# KiCad board USB_panel.kicad_pcb (continued)
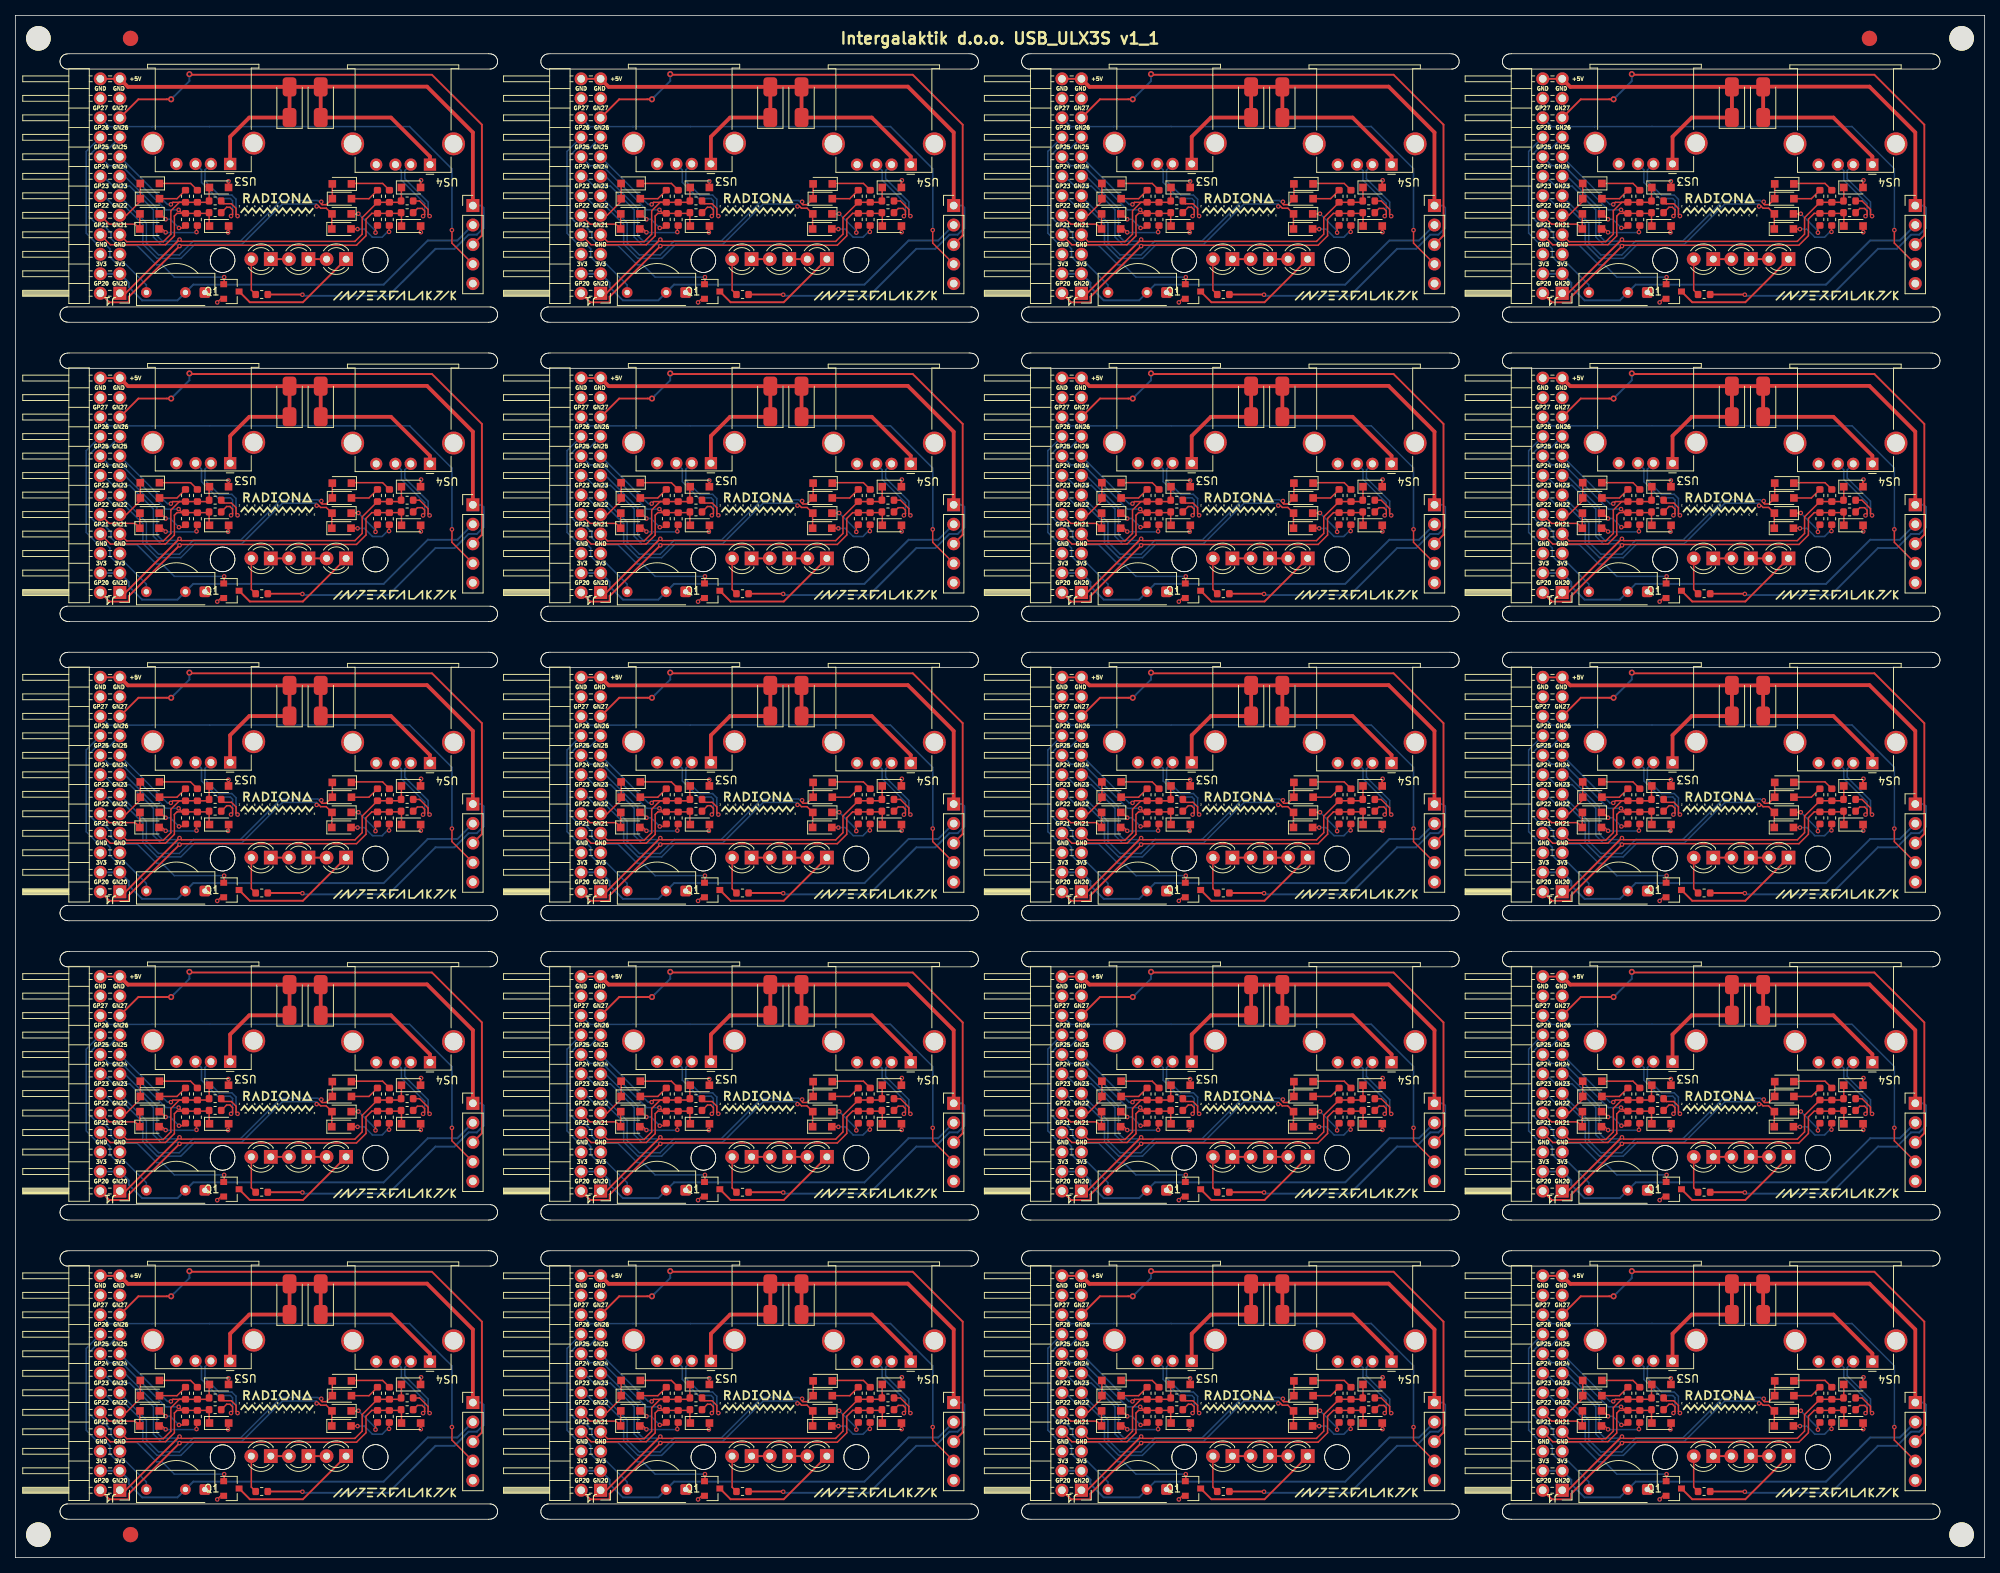
[diagram p0: board, top side]
## Placement (name value [footprint] x y rotation side) (continued)
D16#15  LED  [LED_D3.0mm_IRBlack]  38.17 13.23 180 top
D16#16  LED  [LED_D3.0mm_IRBlack]  226 130.19 180 top
D16#17  LED  [LED_D3.0mm_IRBlack]  100.78 52.22 180 top
D16#18  LED  [LED_D3.0mm_IRBlack]  100.78 91.2 180 top
D16#19  LED  [LED_D3.0mm_IRBlack]  226 13.23 180 top
D16#20  LED  [LED_D3.0mm_IRBlack]  100.78 13.23 180 top
D17  LED  [LED_D3.0mm_IRBlack]  230.9 130.19 180 top
D17#2  LED  [LED_D3.0mm_IRBlack]  105.68 52.22 180 top
D17#3  LED  [LED_D3.0mm_IRBlack]  168.29 13.23 180 top
D17#4  LED  [LED_D3.0mm_IRBlack]  105.68 13.23 180 top
D17#5  LED  [LED_D3.0mm_IRBlack]  105.68 130.19 180 top
D17#6  LED  [LED_D3.0mm_IRBlack]  168.29 91.2 180 top
D17#7  LED  [LED_D3.0mm_IRBlack]  43.07 52.22 180 top
D17#8  LED  [LED_D3.0mm_IRBlack]  230.9 13.23 180 top
D17#9  LED  [LED_D3.0mm_IRBlack]  43.07 169.18 180 top
D17#10  LED  [LED_D3.0mm_IRBlack]  105.68 91.2 180 top
D17#11  LED  [LED_D3.0mm_IRBlack]  105.68 169.18 180 top
D17#12  LED  [LED_D3.0mm_IRBlack]  230.9 91.2 180 top
D17#13  LED  [LED_D3.0mm_IRBlack]  43.07 13.23 180 top
D17#14  LED  [LED_D3.0mm_IRBlack]  43.07 91.2 180 top
D17#15  LED  [LED_D3.0mm_IRBlack]  168.29 52.22 180 top
D17#16  LED  [LED_D3.0mm_IRBlack]  168.29 130.19 180 top
D17#17  LED  [LED_D3.0mm_IRBlack]  43.07 130.19 180 top
D17#18  LED  [LED_D3.0mm_IRBlack]  230.9 169.18 180 top
D17#19  LED  [LED_D3.0mm_IRBlack]  168.29 169.18 180 top
D17#20  LED  [LED_D3.0mm_IRBlack]  230.9 52.22 180 top
G***  LOGO  [intergalaktik]  237.26 47.6 0 top
G***#2  LOGO  [intergalaktik]  174.65 8.61 0 top
G***#3  LOGO  [radiona-10mm]  96.67 59.32 0 top
G***#4  LOGO  [radiona-10mm]  96.67 20.33 0 top
G***#5  LOGO  [radiona-10mm]  159.28 176.28 0 top
G***#6  LOGO  [intergalaktik]  49.43 86.58 0 top
G***#7  LOGO  [intergalaktik]  112.04 47.6 0 top
G***#8  LOGO  [intergalaktik]  174.65 164.56 0 top
G***#9  LOGO  [radiona-10mm]  159.28 98.31 0 top
G***#10  LOGO  [intergalaktik]  174.65 86.58 0 top
G***#11  LOGO  [intergalaktik]  49.43 125.57 0 top
G***#12  LOGO  [radiona-10mm]  159.28 137.29 0 top
G***#13  LOGO  [intergalaktik]  112.04 8.61 0 top
G***#14  LOGO  [radiona-10mm]  159.28 59.32 0 top
G***#15  LOGO  [radiona-10mm]  221.89 176.28 0 top
G***#16  LOGO  [intergalaktik]  49.43 47.6 0 top
G***#17  LOGO  [intergalaktik]  112.04 164.56 0 top
G***#18  LOGO  [radiona-10mm]  34.06 59.32 0 top
G***#19  LOGO  [radiona-10mm]  96.67 137.29 0 top
G***#20  LOGO  [radiona-10mm]  34.06 98.31 0 top
G***#21  LOGO  [radiona-10mm]  34.06 176.28 0 top
G***#22  LOGO  [radiona-10mm]  96.67 176.28 0 top
G***#23  LOGO  [intergalaktik]  174.65 47.6 0 top
G***#24  LOGO  [intergalaktik]  49.43 8.61 0 top
G***#25  LOGO  [intergalaktik]  237.26 86.58 0 top
G***#26  LOGO  [radiona-10mm]  34.06 137.29 0 top
G***#27  LOGO  [intergalaktik]  237.26 125.57 0 top
G***#28  LOGO  [intergalaktik]  237.26 164.56 0 top
G***#29  LOGO  [radiona-10mm]  96.67 98.31 0 top
G***#30  LOGO  [radiona-10mm]  34.06 20.33 0 top
G***#31  LOGO  [radiona-10mm]  159.28 20.33 0 top
G***#32  LOGO  [radiona-10mm]  221.89 98.31 0 top
G***#33  LOGO  [radiona-10mm]  221.89 20.33 0 top
G***#34  LOGO  [intergalaktik]  49.43 164.56 0 top
G***#35  LOGO  [intergalaktik]  237.26 8.61 0 top
G***#36  LOGO  [radiona-10mm]  221.89 59.32 0 top
G***#37  LOGO  [intergalaktik]  112.04 86.58 0 top
G***#38  LOGO  [intergalaktik]  174.65 125.57 0 top
G***#39  LOGO  [radiona-10mm]  221.89 137.29 0 top
G***#40  LOGO  [intergalaktik]  112.04 125.57 0 top
G***#41  LOGO  [radiona-10mm]  224.6 16.33 180 bottom
G***#42  LOGO  [OSH_10x10]  149.59 109.5 180 bottom
G***#43  LOGO  [OSH_10x10]  238.2 70.32 180 bottom
G***#44  LOGO  [OSH_10x10]  149.59 187.48 180 bottom
G***#45  LOGO  [OSH_10x10]  50.37 187.28 180 bottom
G***#46  LOGO  [OSH_10x10]  112.98 148.29 180 bottom
G***#47  LOGO  [OSH_10x10]  86.98 148.49 180 bottom
G***#48  LOGO  [OSH_10x10]  238.2 31.33 180 bottom
G***#49  LOGO  [OSH_10x10]  24.37 70.52 180 bottom
G***#50  LOGO  [radiona-10mm]  161.99 94.3 180 bottom
G***#51  LOGO  [radiona-10mm]  224.6 94.3 180 bottom
G***#52  LOGO  [radiona-10mm]  161.99 172.28 180 bottom
G***#53  LOGO  [OSH_10x10]  175.59 148.29 180 bottom
G***#54  LOGO  [radiona-10mm]  36.77 172.28 180 bottom
G***#55  LOGO  [radiona-10mm]  99.38 16.33 180 bottom
G***#56  LOGO  [OSH_10x10]  24.37 31.53 180 bottom
G***#57  LOGO  [radiona-10mm]  99.38 94.3 180 bottom
G***#58  LOGO  [OSH_10x10]  50.37 31.33 180 bottom
G***#59  LOGO  [OSH_10x10]  24.37 187.48 180 bottom
G***#60  LOGO  [OSH_10x10]  112.98 109.3 180 bottom
G***#61  LOGO  [OSH_10x10]  175.59 31.33 180 bottom
G***#62  LOGO  [OSH_10x10]  86.98 109.5 180 bottom
G***#63  LOGO  [radiona-10mm]  99.38 172.28 180 bottom
G***#64  LOGO  [OSH_10x10]  149.59 70.52 180 bottom
G***#65  LOGO  [OSH_10x10]  212.2 31.53 180 bottom
G***#66  LOGO  [OSH_10x10]  86.98 31.53 180 bottom
G***#67  LOGO  [OSH_10x10]  24.37 148.49 180 bottom
G***#68  LOGO  [OSH_10x10]  112.98 187.28 180 bottom
G***#69  LOGO  [OSH_10x10]  50.37 148.29 180 bottom
G***#70  LOGO  [radiona-10mm]  36.77 55.32 180 bottom
G***#71  LOGO  [OSH_10x10]  112.98 70.32 180 bottom
G***#72  LOGO  [radiona-10mm]  36.77 16.33 180 bottom
G***#73  LOGO  [OSH_10x10]  238.2 109.3 180 bottom
G***#74  LOGO  [OSH_10x10]  149.59 148.49 180 bottom
G***#75  LOGO  [radiona-10mm]  224.6 133.29 180 bottom
G***#76  LOGO  [radiona-10mm]  224.6 172.28 180 bottom
G***#77  LOGO  [radiona-10mm]  161.99 133.29 180 bottom
G***#78  LOGO  [OSH_10x10]  149.59 31.53 180 bottom
G***#79  LOGO  [OSH_10x10]  112.98 31.33 180 bottom
G***#80  LOGO  [radiona-10mm]  36.77 94.3 180 bottom
G***#81  LOGO  [radiona-10mm]  224.6 55.32 180 bottom
G***#82  LOGO  [OSH_10x10]  86.98 70.52 180 bottom
G***#83  LOGO  [OSH_10x10]  175.59 109.3 180 bottom
G***#84  LOGO  [OSH_10x10]  212.2 109.5 180 bottom
G***#85  LOGO  [radiona-10mm]  161.99 16.33 180 bottom
G***#86  LOGO  [radiona-10mm]  99.38 55.32 180 bottom
G***#87  LOGO  [OSH_10x10]  86.98 187.48 180 bottom
G***#88  LOGO  [OSH_10x10]  175.59 187.28 180 bottom
G***#89  LOGO  [OSH_10x10]  212.2 148.49 180 bottom
G***#90  LOGO  [radiona-10mm]  36.77 133.29 180 bottom
G***#91  LOGO  [radiona-10mm]  161.99 55.32 180 bottom
G***#92  LOGO  [OSH_10x10]  24.37 109.5 180 bottom
G***#93  LOGO  [OSH_10x10]  212.2 70.52 180 bottom
G***#94  LOGO  [OSH_10x10]  175.59 70.32 180 bottom
G***#95  LOGO  [OSH_10x10]  50.37 70.32 180 bottom
G***#96  LOGO  [OSH_10x10]  212.2 187.48 180 bottom
G***#97  LOGO  [OSH_10x10]  238.2 187.28 180 bottom
G***#98  LOGO  [OSH_10x10]  238.2 148.29 180 bottom
G***#99  LOGO  [radiona-10mm]  99.38 133.29 180 bottom
G***#100  LOGO  [OSH_10x10]  50.37 109.3 180 bottom
J1  Conn_02x12_Odd_Even  [PinHeader_2x12_P2.54mm_Horizontal]  201.43 125.74 180 top
J1#2  Conn_02x12_Odd_Even  [PinHeader_2x12_P2.54mm_Horizontal]  13.6 47.77 180 top
J1#3  Conn_02x12_Odd_Even  [PinHeader_2x12_P2.54mm_Horizontal]  76.21 8.78 180 top
J1#4  Conn_02x12_Odd_Even  [PinHeader_2x12_P2.54mm_Horizontal]  201.43 86.75 180 top
J1#5  Conn_02x12_Odd_Even  [PinHeader_2x12_P2.54mm_Horizontal]  76.21 164.73 180 top
J1#6  Conn_02x12_Odd_Even  [PinHeader_2x12_P2.54mm_Horizontal]  76.21 47.77 180 top
J1#7  Conn_02x12_Odd_Even  [PinHeader_2x12_P2.54mm_Horizontal]  138.82 8.78 180 top
J1#8  Conn_02x12_Odd_Even  [PinHeader_2x12_P2.54mm_Horizontal]  13.6 164.73 180 top
J1#9  Conn_02x12_Odd_Even  [PinHeader_2x12_P2.54mm_Horizontal]  76.21 86.75 180 top
J1#10  Conn_02x12_Odd_Even  [PinHeader_2x12_P2.54mm_Horizontal]  138.82 125.74 180 top
J1#11  Conn_02x12_Odd_Even  [PinHeader_2x12_P2.54mm_Horizontal]  76.21 125.74 180 top
J1#12  Conn_02x12_Odd_Even  [PinHeader_2x12_P2.54mm_Horizontal]  13.6 125.74 180 top
J1#13  Conn_02x12_Odd_Even  [PinHeader_2x12_P2.54mm_Horizontal]  138.82 47.77 180 top
J1#14  Conn_02x12_Odd_Even  [PinHeader_2x12_P2.54mm_Horizontal]  138.82 86.75 180 top
J1#15  Conn_02x12_Odd_Even  [PinHeader_2x12_P2.54mm_Horizontal]  138.82 164.73 180 top
J1#16  Conn_02x12_Odd_Even  [PinHeader_2x12_P2.54mm_Horizontal]  201.43 8.78 180 top
J1#17  Conn_02x12_Odd_Even  [PinHeader_2x12_P2.54mm_Horizontal]  13.6 86.75 180 top
J1#18  Conn_02x12_Odd_Even  [PinHeader_2x12_P2.54mm_Horizontal]  13.6 8.78 180 top
J1#19  Conn_02x12_Odd_Even  [PinHeader_2x12_P2.54mm_Horizontal]  201.43 47.77 180 top
J1#20  Conn_02x12_Odd_Even  [PinHeader_2x12_P2.54mm_Horizontal]  201.43 164.73 180 top
J2  CONN  [PinHeader_1x05_P2.54mm_Vertical]  59.58 137.17 0 top
J2#2  CONN  [PinHeader_1x05_P2.54mm_Vertical]  184.8 98.18 0 top
J2#3  CONN  [PinHeader_1x05_P2.54mm_Vertical]  122.19 176.16 0 top
J2#4  CONN  [PinHeader_1x05_P2.54mm_Vertical]  247.41 20.21 0 top
J2#5  CONN  [PinHeader_1x05_P2.54mm_Vertical]  59.58 98.18 0 top
J2#6  CONN  [PinHeader_1x05_P2.54mm_Vertical]  184.8 137.17 0 top
J2#7  CONN  [PinHeader_1x05_P2.54mm_Vertical]  184.8 20.21 0 top
J2#8  CONN  [PinHeader_1x05_P2.54mm_Vertical]  247.41 137.17 0 top
J2#9  CONN  [PinHeader_1x05_P2.54mm_Vertical]  122.19 59.2 0 top
J2#10  CONN  [PinHeader_1x05_P2.54mm_Vertical]  247.41 59.2 0 top
J2#11  CONN  [PinHeader_1x05_P2.54mm_Vertical]  247.41 98.18 0 top
J2#12  CONN  [PinHeader_1x05_P2.54mm_Vertical]  122.19 98.18 0 top
J2#13  CONN  [PinHeader_1x05_P2.54mm_Vertical]  59.58 59.2 0 top
J2#14  CONN  [PinHeader_1x05_P2.54mm_Vertical]  184.8 176.16 0 top
J2#15  CONN  [PinHeader_1x05_P2.54mm_Vertical]  184.8 59.2 0 top
J2#16  CONN  [PinHeader_1x05_P2.54mm_Vertical]  59.58 20.21 0 top
J2#17  CONN  [PinHeader_1x05_P2.54mm_Vertical]  59.58 176.16 0 top
J2#18  CONN  [PinHeader_1x05_P2.54mm_Vertical]  122.19 20.21 0 top
J2#19  CONN  [PinHeader_1x05_P2.54mm_Vertical]  122.19 137.17 0 top
J2#20  CONN  [PinHeader_1x05_P2.54mm_Vertical]  247.41 176.16 0 top
KiKit_FID_B_1  -  [Fiducial]  15 197.94 0 bottom
KiKit_FID_B_2  -  [Fiducial]  241.44 197.94 0 bottom
KiKit_FID_B_3  -  [Fiducial]  15 3 0 bottom
KiKit_FID_T_1  -  [Fiducial]  15 197.94 0 top
KiKit_FID_T_2  -  [Fiducial]  241.44 197.94 0 top
KiKit_FID_T_3  -  [Fiducial]  15 3 0 top
KiKit_TO_1  -  [NPTH]  3 197.94 0 top
KiKit_TO_2  -  [NPTH]  253.44 197.94 0 top
KiKit_TO_3  -  [NPTH]  3 3 0 top
KiKit_TO_4  -  [NPTH]  253.44 3 0 top
Q1  2N7002  [SOT-23]  153.35 125.97 0 top
Q1#2  2N7002  [SOT-23]  28.13 164.96 0 top
Q1#3  2N7002  [SOT-23]  153.35 9.01 0 top
Q1#4  2N7002  [SOT-23]  153.35 164.96 0 top
Q1#5  2N7002  [SOT-23]  215.96 125.97 0 top
Q1#6  2N7002  [SOT-23]  28.13 86.99 0 top
Q1#7  2N7002  [SOT-23]  153.35 86.99 0 top
Q1#8  2N7002  [SOT-23]  90.74 125.97 0 top
Q1#9  2N7002  [SOT-23]  215.96 9.01 0 top
Q1#10  2N7002  [SOT-23]  90.74 48 0 top
Q1#11  2N7002  [SOT-23]  28.13 48 0 top
Q1#12  2N7002  [SOT-23]  215.96 48 0 top
Q1#13  2N7002  [SOT-23]  215.96 164.96 0 top
Q1#14  2N7002  [SOT-23]  153.35 48 0 top
Q1#15  2N7002  [SOT-23]  215.96 86.99 0 top
Q1#16  2N7002  [SOT-23]  90.74 86.99 0 top
Q1#17  2N7002  [SOT-23]  28.13 125.97 0 top
Q1#18  2N7002  [SOT-23]  90.74 164.96 0 top
Q1#19  2N7002  [SOT-23]  28.13 9.01 0 top
Q1#20  2N7002  [SOT-23]  90.74 9.01 0 top
R1  1.1k  [R_0603_1608Metric]  209.99 57.39 90 top
R1#2  1.1k  [R_0603_1608Metric]  84.77 57.39 90 top
R1#3  1.1k  [R_0603_1608Metric]  147.38 96.38 90 top
R1#4  1.1k  [R_0603_1608Metric]  84.77 135.36 90 top
R1#5  1.1k  [R_0603_1608Metric]  22.15 96.38 90 top
R1#6  1.1k  [R_0603_1608Metric]  209.99 96.38 90 top
R1#7  1.1k  [R_0603_1608Metric]  84.77 174.35 90 top
R1#8  1.1k  [R_0603_1608Metric]  22.15 174.35 90 top
R1#9  1.1k  [R_0603_1608Metric]  147.38 174.35 90 top
R1#10  1.1k  [R_0603_1608Metric]  147.38 135.36 90 top
R1#11  1.1k  [R_0603_1608Metric]  147.38 18.4 90 top
R1#12  1.1k  [R_0603_1608Metric]  84.77 96.38 90 top
R1#13  1.1k  [R_0603_1608Metric]  209.99 18.4 90 top
R1#14  1.1k  [R_0603_1608Metric]  22.15 57.39 90 top
R1#15  1.1k  [R_0603_1608Metric]  209.99 135.36 90 top
R1#16  1.1k  [R_0603_1608Metric]  22.15 18.4 90 top
R1#17  1.1k  [R_0603_1608Metric]  84.77 18.4 90 top
R1#18  1.1k  [R_0603_1608Metric]  209.99 174.35 90 top
R1#19  1.1k  [R_0603_1608Metric]  147.38 57.39 90 top
R1#20  1.1k  [R_0603_1608Metric]  22.15 135.36 90 top
R2  15k  [R_0603_1608Metric]  211.53 174.34 90 top
R2#2  15k  [R_0603_1608Metric]  148.93 18.39 90 top
R2#3  15k  [R_0603_1608Metric]  211.53 57.38 90 top
R2#4  15k  [R_0603_1608Metric]  23.71 174.34 90 top
R2#5  15k  [R_0603_1608Metric]  23.71 57.38 90 top
R2#6  15k  [R_0603_1608Metric]  23.71 18.39 90 top
R2#7  15k  [R_0603_1608Metric]  148.93 174.34 90 top
R2#8  15k  [R_0603_1608Metric]  148.93 96.37 90 top
R2#9  15k  [R_0603_1608Metric]  86.31 18.39 90 top
R2#10  15k  [R_0603_1608Metric]  148.93 57.38 90 top
R2#11  15k  [R_0603_1608Metric]  148.93 135.35 90 top
R2#12  15k  [R_0603_1608Metric]  211.53 18.39 90 top
R2#13  15k  [R_0603_1608Metric]  86.31 174.34 90 top
R2#14  15k  [R_0603_1608Metric]  86.31 135.35 90 top
R2#15  15k  [R_0603_1608Metric]  86.31 96.37 90 top
R2#16  15k  [R_0603_1608Metric]  23.71 96.37 90 top
R2#17  15k  [R_0603_1608Metric]  86.31 57.38 90 top
R2#18  15k  [R_0603_1608Metric]  211.53 135.35 90 top
R2#19  15k  [R_0603_1608Metric]  211.53 96.37 90 top
R2#20  15k  [R_0603_1608Metric]  23.71 135.35 90 top
R3  1.1k  [R_0603_1608Metric]  23.71 99.39 90 top
R3#2  1.1k  [R_0603_1608Metric]  211.53 138.38 90 top
R3#3  1.1k  [R_0603_1608Metric]  23.71 177.37 90 top
R3#4  1.1k  [R_0603_1608Metric]  211.53 21.42 90 top
R3#5  1.1k  [R_0603_1608Metric]  148.93 60.41 90 top
R3#6  1.1k  [R_0603_1608Metric]  23.71 21.42 90 top
R3#7  1.1k  [R_0603_1608Metric]  86.31 138.38 90 top
R3#8  1.1k  [R_0603_1608Metric]  23.71 60.41 90 top
R3#9  1.1k  [R_0603_1608Metric]  148.93 99.39 90 top
R3#10  1.1k  [R_0603_1608Metric]  86.31 21.42 90 top
R3#11  1.1k  [R_0603_1608Metric]  86.31 60.41 90 top
R3#12  1.1k  [R_0603_1608Metric]  211.53 60.41 90 top
R3#13  1.1k  [R_0603_1608Metric]  211.53 177.37 90 top
R3#14  1.1k  [R_0603_1608Metric]  148.93 138.38 90 top
R3#15  1.1k  [R_0603_1608Metric]  23.71 138.38 90 top
R3#16  1.1k  [R_0603_1608Metric]  148.93 21.42 90 top
R3#17  1.1k  [R_0603_1608Metric]  86.31 177.37 90 top
R3#18  1.1k  [R_0603_1608Metric]  86.31 99.39 90 top
R3#19  1.1k  [R_0603_1608Metric]  148.93 177.37 90 top
R3#20  1.1k  [R_0603_1608Metric]  211.53 99.39 90 top
R4  15k  [R_0603_1608Metric]  84.77 60.41 270 top
R4#2  15k  [R_0603_1608Metric]  209.99 138.38 270 top
R4#3  15k  [R_0603_1608Metric]  147.38 99.4 270 top
R4#4  15k  [R_0603_1608Metric]  84.77 177.37 270 top
R4#5  15k  [R_0603_1608Metric]  209.99 177.37 270 top
R4#6  15k  [R_0603_1608Metric]  209.99 60.41 270 top
R4#7  15k  [R_0603_1608Metric]  147.38 138.38 270 top
R4#8  15k  [R_0603_1608Metric]  147.38 21.42 270 top
R4#9  15k  [R_0603_1608Metric]  84.77 99.4 270 top
R4#10  15k  [R_0603_1608Metric]  22.15 21.42 270 top
R4#11  15k  [R_0603_1608Metric]  22.15 177.37 270 top
R4#12  15k  [R_0603_1608Metric]  84.77 21.42 270 top
R4#13  15k  [R_0603_1608Metric]  209.99 21.42 270 top
R4#14  15k  [R_0603_1608Metric]  22.15 99.4 270 top
R4#15  15k  [R_0603_1608Metric]  22.15 138.38 270 top
R4#16  15k  [R_0603_1608Metric]  147.38 177.37 270 top
R4#17  15k  [R_0603_1608Metric]  84.77 138.38 270 top
R4#18  15k  [R_0603_1608Metric]  22.15 60.41 270 top
R4#19  15k  [R_0603_1608Metric]  147.38 60.41 270 top
R4#20  15k  [R_0603_1608Metric]  209.99 99.4 270 top
R5  27  [R_0603_1608Metric]  151.24 98.78 0 top
R5#2  27  [R_0603_1608Metric]  26.02 176.76 0 top
R5#3  27  [R_0603_1608Metric]  151.24 176.76 0 top
R5#4  27  [R_0603_1608Metric]  26.02 20.81 0 top
R5#5  27  [R_0603_1608Metric]  151.24 20.81 0 top
R5#6  27  [R_0603_1608Metric]  88.63 98.78 0 top
R5#7  27  [R_0603_1608Metric]  88.63 137.77 0 top
R5#8  27  [R_0603_1608Metric]  151.24 137.77 0 top
R5#9  27  [R_0603_1608Metric]  213.85 59.8 0 top
R5#10  27  [R_0603_1608Metric]  26.02 98.78 0 top
R5#11  27  [R_0603_1608Metric]  88.63 20.81 0 top
R5#12  27  [R_0603_1608Metric]  213.85 137.77 0 top
R5#13  27  [R_0603_1608Metric]  213.85 98.78 0 top
R5#14  27  [R_0603_1608Metric]  26.02 137.77 0 top
R5#15  27  [R_0603_1608Metric]  213.85 176.76 0 top
R5#16  27  [R_0603_1608Metric]  88.63 59.8 0 top
R5#17  27  [R_0603_1608Metric]  213.85 20.81 0 top
R5#18  27  [R_0603_1608Metric]  151.24 59.8 0 top
R5#19  27  [R_0603_1608Metric]  88.63 176.76 0 top
R5#20  27  [R_0603_1608Metric]  26.02 59.8 0 top
R6  27  [R_0603_1608Metric]  151.24 136.24 0 top
R6#2  27  [R_0603_1608Metric]  213.85 97.25 0 top
R6#3  27  [R_0603_1608Metric]  88.63 175.23 0 top
R6#4  27  [R_0603_1608Metric]  26.02 175.23 0 top
R6#5  27  [R_0603_1608Metric]  151.24 19.28 0 top
R6#6  27  [R_0603_1608Metric]  213.85 175.23 0 top
R6#7  27  [R_0603_1608Metric]  26.02 19.28 0 top
R6#8  27  [R_0603_1608Metric]  151.24 58.27 0 top
R6#9  27  [R_0603_1608Metric]  213.85 19.28 0 top
R6#10  27  [R_0603_1608Metric]  88.63 19.28 0 top
R6#11  27  [R_0603_1608Metric]  26.02 136.24 0 top
R6#12  27  [R_0603_1608Metric]  26.02 97.25 0 top
R6#13  27  [R_0603_1608Metric]  213.85 58.27 0 top
R6#14  27  [R_0603_1608Metric]  88.63 136.24 0 top
R6#15  27  [R_0603_1608Metric]  88.63 58.27 0 top
R6#16  27  [R_0603_1608Metric]  151.24 97.25 0 top
R6#17  27  [R_0603_1608Metric]  213.85 136.24 0 top
R6#18  27  [R_0603_1608Metric]  88.63 97.25 0 top
R6#19  27  [R_0603_1608Metric]  151.24 175.23 0 top
R6#20  27  [R_0603_1608Metric]  26.02 58.27 0 top
R7  1.1k  [R_0603_1608Metric]  234.98 57.39 90 top
R7#2  1.1k  [R_0603_1608Metric]  172.38 57.39 90 top
R7#3  1.1k  [R_0603_1608Metric]  109.77 174.35 90 top
R7#4  1.1k  [R_0603_1608Metric]  172.38 174.35 90 top
R7#5  1.1k  [R_0603_1608Metric]  109.77 96.38 90 top
R7#6  1.1k  [R_0603_1608Metric]  47.16 18.4 90 top
R7#7  1.1k  [R_0603_1608Metric]  234.98 96.38 90 top
R7#8  1.1k  [R_0603_1608Metric]  234.98 18.4 90 top
R7#9  1.1k  [R_0603_1608Metric]  47.16 96.38 90 top
R7#10  1.1k  [R_0603_1608Metric]  109.77 57.39 90 top
R7#11  1.1k  [R_0603_1608Metric]  234.98 135.36 90 top
R7#12  1.1k  [R_0603_1608Metric]  172.38 96.38 90 top
R7#13  1.1k  [R_0603_1608Metric]  109.77 18.4 90 top
R7#14  1.1k  [R_0603_1608Metric]  47.16 174.35 90 top
R7#15  1.1k  [R_0603_1608Metric]  234.98 174.35 90 top
R7#16  1.1k  [R_0603_1608Metric]  47.16 135.36 90 top
R7#17  1.1k  [R_0603_1608Metric]  109.77 135.36 90 top
R7#18  1.1k  [R_0603_1608Metric]  47.16 57.39 90 top
R7#19  1.1k  [R_0603_1608Metric]  172.38 18.4 90 top
R7#20  1.1k  [R_0603_1608Metric]  172.38 135.36 90 top
R8  15k  [R_0603_1608Metric]  236.53 57.38 90 top
R8#2  15k  [R_0603_1608Metric]  111.31 96.37 90 top
R8#3  15k  [R_0603_1608Metric]  236.53 18.39 90 top
R8#4  15k  [R_0603_1608Metric]  173.92 57.38 90 top
R8#5  15k  [R_0603_1608Metric]  48.7 174.34 90 top
R8#6  15k  [R_0603_1608Metric]  236.53 96.37 90 top
R8#7  15k  [R_0603_1608Metric]  173.92 135.36 90 top
R8#8  15k  [R_0603_1608Metric]  173.92 96.37 90 top
R8#9  15k  [R_0603_1608Metric]  236.53 174.34 90 top
R8#10  15k  [R_0603_1608Metric]  111.31 18.39 90 top
R8#11  15k  [R_0603_1608Metric]  111.31 135.36 90 top
R8#12  15k  [R_0603_1608Metric]  48.7 57.38 90 top
R8#13  15k  [R_0603_1608Metric]  236.53 135.36 90 top
R8#14  15k  [R_0603_1608Metric]  111.31 174.34 90 top
R8#15  15k  [R_0603_1608Metric]  173.92 18.39 90 top
R8#16  15k  [R_0603_1608Metric]  173.92 174.34 90 top
R8#17  15k  [R_0603_1608Metric]  111.31 57.38 90 top
R8#18  15k  [R_0603_1608Metric]  48.7 18.39 90 top
R8#19  15k  [R_0603_1608Metric]  48.7 96.37 90 top
R8#20  15k  [R_0603_1608Metric]  48.7 135.36 90 top
R9  1.1k  [R_0603_1608Metric]  173.93 60.41 90 top
R9#2  1.1k  [R_0603_1608Metric]  111.32 138.38 90 top
R9#3  1.1k  [R_0603_1608Metric]  111.32 21.42 90 top
R9#4  1.1k  [R_0603_1608Metric]  48.71 138.38 90 top
R9#5  1.1k  [R_0603_1608Metric]  173.93 21.42 90 top
R9#6  1.1k  [R_0603_1608Metric]  173.93 138.38 90 top
R9#7  1.1k  [R_0603_1608Metric]  236.54 99.39 90 top
R9#8  1.1k  [R_0603_1608Metric]  48.71 177.37 90 top
R9#9  1.1k  [R_0603_1608Metric]  236.54 60.41 90 top
R9#10  1.1k  [R_0603_1608Metric]  236.54 177.37 90 top
R9#11  1.1k  [R_0603_1608Metric]  48.71 60.41 90 top
R9#12  1.1k  [R_0603_1608Metric]  236.54 21.42 90 top
R9#13  1.1k  [R_0603_1608Metric]  173.93 99.39 90 top
R9#14  1.1k  [R_0603_1608Metric]  48.71 99.39 90 top
R9#15  1.1k  [R_0603_1608Metric]  173.93 177.37 90 top
R9#16  1.1k  [R_0603_1608Metric]  236.54 138.38 90 top
R9#17  1.1k  [R_0603_1608Metric]  48.71 21.42 90 top
R9#18  1.1k  [R_0603_1608Metric]  111.32 177.37 90 top
R9#19  1.1k  [R_0603_1608Metric]  111.32 99.39 90 top
R9#20  1.1k  [R_0603_1608Metric]  111.32 60.41 90 top
R10  15k  [R_0603_1608Metric]  234.98 177.37 270 top
R10#2  15k  [R_0603_1608Metric]  47.16 138.38 270 top
R10#3  15k  [R_0603_1608Metric]  172.38 177.37 270 top
R10#4  15k  [R_0603_1608Metric]  234.98 138.38 270 top
R10#5  15k  [R_0603_1608Metric]  47.16 177.37 270 top
R10#6  15k  [R_0603_1608Metric]  172.38 99.4 270 top
R10#7  15k  [R_0603_1608Metric]  234.98 99.4 270 top
R10#8  15k  [R_0603_1608Metric]  109.77 60.41 270 top
R10#9  15k  [R_0603_1608Metric]  109.77 99.4 270 top
R10#10  15k  [R_0603_1608Metric]  109.77 138.38 270 top
R10#11  15k  [R_0603_1608Metric]  109.77 21.42 270 top
R10#12  15k  [R_0603_1608Metric]  234.98 60.41 270 top
R10#13  15k  [R_0603_1608Metric]  172.38 21.42 270 top
R10#14  15k  [R_0603_1608Metric]  47.16 21.42 270 top
R10#15  15k  [R_0603_1608Metric]  172.38 138.38 270 top
R10#16  15k  [R_0603_1608Metric]  109.77 177.37 270 top
R10#17  15k  [R_0603_1608Metric]  47.16 99.4 270 top
R10#18  15k  [R_0603_1608Metric]  172.38 60.41 270 top
R10#19  15k  [R_0603_1608Metric]  47.16 60.41 270 top
R10#20  15k  [R_0603_1608Metric]  234.98 21.42 270 top
R11  27  [R_0603_1608Metric]  176.24 20.81 0 top
R11#2  27  [R_0603_1608Metric]  51.02 59.8 0 top
R11#3  27  [R_0603_1608Metric]  176.24 137.77 0 top
R11#4  27  [R_0603_1608Metric]  51.02 98.78 0 top
R11#5  27  [R_0603_1608Metric]  238.85 176.76 0 top
R11#6  27  [R_0603_1608Metric]  238.85 137.77 0 top
R11#7  27  [R_0603_1608Metric]  113.63 176.76 0 top
R11#8  27  [R_0603_1608Metric]  238.85 59.8 0 top
R11#9  27  [R_0603_1608Metric]  51.02 20.81 0 top
R11#10  27  [R_0603_1608Metric]  176.24 59.8 0 top
R11#11  27  [R_0603_1608Metric]  51.02 137.77 0 top
R11#12  27  [R_0603_1608Metric]  176.24 176.76 0 top
R11#13  27  [R_0603_1608Metric]  176.24 98.78 0 top
R11#14  27  [R_0603_1608Metric]  238.85 98.78 0 top
R11#15  27  [R_0603_1608Metric]  238.85 20.81 0 top
R11#16  27  [R_0603_1608Metric]  113.63 137.77 0 top
R11#17  27  [R_0603_1608Metric]  113.63 98.78 0 top
R11#18  27  [R_0603_1608Metric]  51.02 176.76 0 top
R11#19  27  [R_0603_1608Metric]  113.63 59.8 0 top
R11#20  27  [R_0603_1608Metric]  113.63 20.81 0 top
R12  27  [R_0603_1608Metric]  113.63 19.28 0 top
R12#2  27  [R_0603_1608Metric]  176.24 175.23 0 top
R12#3  27  [R_0603_1608Metric]  51.02 58.27 0 top
R12#4  27  [R_0603_1608Metric]  176.24 19.28 0 top
R12#5  27  [R_0603_1608Metric]  238.85 136.24 0 top
R12#6  27  [R_0603_1608Metric]  113.63 175.23 0 top
R12#7  27  [R_0603_1608Metric]  238.85 19.28 0 top
R12#8  27  [R_0603_1608Metric]  51.02 19.28 0 top
R12#9  27  [R_0603_1608Metric]  176.24 136.24 0 top
R12#10  27  [R_0603_1608Metric]  113.63 97.25 0 top
R12#11  27  [R_0603_1608Metric]  238.85 97.25 0 top
R12#12  27  [R_0603_1608Metric]  238.85 58.27 0 top
R12#13  27  [R_0603_1608Metric]  176.24 58.27 0 top
R12#14  27  [R_0603_1608Metric]  51.02 97.25 0 top
R12#15  27  [R_0603_1608Metric]  113.63 136.24 0 top
R12#16  27  [R_0603_1608Metric]  113.63 58.27 0 top
R12#17  27  [R_0603_1608Metric]  51.02 175.23 0 top
R12#18  27  [R_0603_1608Metric]  51.02 136.24 0 top
R12#19  27  [R_0603_1608Metric]  176.24 97.25 0 top
R12#20  27  [R_0603_1608Metric]  238.85 175.23 0 top
R13  4.7  [R_0603_1608Metric]  219.91 8.62 180 top
R13#2  4.7  [R_0603_1608Metric]  219.91 164.57 180 top
R13#3  4.7  [R_0603_1608Metric]  32.08 8.62 180 top
R13#4  4.7  [R_0603_1608Metric]  157.3 47.61 180 top
R13#5  4.7  [R_0603_1608Metric]  32.08 86.6 180 top
R13#6  4.7  [R_0603_1608Metric]  94.69 86.6 180 top
R13#7  4.7  [R_0603_1608Metric]  94.69 8.62 180 top
R13#8  4.7  [R_0603_1608Metric]  94.69 164.57 180 top
R13#9  4.7  [R_0603_1608Metric]  94.69 125.58 180 top
R13#10  4.7  [R_0603_1608Metric]  157.3 125.58 180 top
R13#11  4.7  [R_0603_1608Metric]  219.91 86.6 180 top
R13#12  4.7  [R_0603_1608Metric]  32.08 47.61 180 top
R13#13  4.7  [R_0603_1608Metric]  157.3 86.6 180 top
R13#14  4.7  [R_0603_1608Metric]  157.3 8.62 180 top
R13#15  4.7  [R_0603_1608Metric]  32.08 164.57 180 top
R13#16  4.7  [R_0603_1608Metric]  219.91 47.61 180 top
R13#17  4.7  [R_0603_1608Metric]  32.08 125.58 180 top
R13#18  4.7  [R_0603_1608Metric]  219.91 125.58 180 top
R13#19  4.7  [R_0603_1608Metric]  94.69 47.61 180 top
R13#20  4.7  [R_0603_1608Metric]  157.3 164.57 180 top
U1  TSOP17xx  [Vishay_CAST-3Pin]  212.51 125.84 180 top
U1#2  TSOP17xx  [Vishay_CAST-3Pin]  149.9 47.87 180 top
U1#3  TSOP17xx  [Vishay_CAST-3Pin]  149.9 125.84 180 top
U1#4  TSOP17xx  [Vishay_CAST-3Pin]  87.29 86.86 180 top
U1#5  TSOP17xx  [Vishay_CAST-3Pin]  87.29 125.84 180 top
U1#6  TSOP17xx  [Vishay_CAST-3Pin]  24.68 164.83 180 top
U1#7  TSOP17xx  [Vishay_CAST-3Pin]  87.29 164.83 180 top
U1#8  TSOP17xx  [Vishay_CAST-3Pin]  212.51 86.86 180 top
U1#9  TSOP17xx  [Vishay_CAST-3Pin]  24.68 47.87 180 top
U1#10  TSOP17xx  [Vishay_CAST-3Pin]  149.9 8.88 180 top
U1#11  TSOP17xx  [Vishay_CAST-3Pin]  24.68 8.88 180 top
U1#12  TSOP17xx  [Vishay_CAST-3Pin]  24.68 86.86 180 top
U1#13  TSOP17xx  [Vishay_CAST-3Pin]  149.9 164.83 180 top
U1#14  TSOP17xx  [Vishay_CAST-3Pin]  24.68 125.84 180 top
U1#15  TSOP17xx  [Vishay_CAST-3Pin]  87.29 47.87 180 top
U1#16  TSOP17xx  [Vishay_CAST-3Pin]  212.51 8.88 180 top
U1#17  TSOP17xx  [Vishay_CAST-3Pin]  212.51 47.87 180 top
U1#18  TSOP17xx  [Vishay_CAST-3Pin]  149.9 86.86 180 top
U1#19  TSOP17xx  [Vishay_CAST-3Pin]  212.51 164.83 180 top
U1#20  TSOP17xx  [Vishay_CAST-3Pin]  87.29 8.88 180 top
US3  USB_A  [USB_A_Stewart_SS-52100-001_Horizontal]  215.8 25.63 180 top
US3#2  USB_A  [USB_A_Stewart_SS-52100-001_Horizontal]  90.58 64.62 180 top
US3#3  USB_A  [USB_A_Stewart_SS-52100-001_Horizontal]  153.19 64.62 180 top
US3#4  USB_A  [USB_A_Stewart_SS-52100-001_Horizontal]  153.19 142.59 180 top
US3#5  USB_A  [USB_A_Stewart_SS-52100-001_Horizontal]  90.58 103.6 180 top
US3#6  USB_A  [USB_A_Stewart_SS-52100-001_Horizontal]  27.97 25.63 180 top
US3#7  USB_A  [USB_A_Stewart_SS-52100-001_Horizontal]  215.8 64.62 180 top
US3#8  USB_A  [USB_A_Stewart_SS-52100-001_Horizontal]  153.19 103.6 180 top
US3#9  USB_A  [USB_A_Stewart_SS-52100-001_Horizontal]  153.19 181.58 180 top
US3#10  USB_A  [USB_A_Stewart_SS-52100-001_Horizontal]  215.8 181.58 180 top
US3#11  USB_A  [USB_A_Stewart_SS-52100-001_Horizontal]  153.19 25.63 180 top
US3#12  USB_A  [USB_A_Stewart_SS-52100-001_Horizontal]  90.58 142.59 180 top
US3#13  USB_A  [USB_A_Stewart_SS-52100-001_Horizontal]  27.97 103.6 180 top
US3#14  USB_A  [USB_A_Stewart_SS-52100-001_Horizontal]  27.97 181.58 180 top
US3#15  USB_A  [USB_A_Stewart_SS-52100-001_Horizontal]  90.58 181.58 180 top
US3#16  USB_A  [USB_A_Stewart_SS-52100-001_Horizontal]  27.97 64.62 180 top
US3#17  USB_A  [USB_A_Stewart_SS-52100-001_Horizontal]  90.58 25.63 180 top
US3#18  USB_A  [USB_A_Stewart_SS-52100-001_Horizontal]  215.8 142.59 180 top
US3#19  USB_A  [USB_A_Stewart_SS-52100-001_Horizontal]  215.8 103.6 180 top
US3#20  USB_A  [USB_A_Stewart_SS-52100-001_Horizontal]  27.97 142.59 180 top
US4  USB_A  [USB_A_Stewart_SS-52100-001_Horizontal]  179.21 64.53 180 top
US4#2  USB_A  [USB_A_Stewart_SS-52100-001_Horizontal]  241.82 64.53 180 top
US4#3  USB_A  [USB_A_Stewart_SS-52100-001_Horizontal]  116.6 142.51 180 top
US4#4  USB_A  [USB_A_Stewart_SS-52100-001_Horizontal]  53.99 181.49 180 top
US4#5  USB_A  [USB_A_Stewart_SS-52100-001_Horizontal]  116.6 103.52 180 top
US4#6  USB_A  [USB_A_Stewart_SS-52100-001_Horizontal]  179.21 181.49 180 top
US4#7  USB_A  [USB_A_Stewart_SS-52100-001_Horizontal]  53.99 25.54 180 top
US4#8  USB_A  [USB_A_Stewart_SS-52100-001_Horizontal]  241.82 103.52 180 top
US4#9  USB_A  [USB_A_Stewart_SS-52100-001_Horizontal]  116.6 64.53 180 top
US4#10  USB_A  [USB_A_Stewart_SS-52100-001_Horizontal]  53.99 103.52 180 top
US4#11  USB_A  [USB_A_Stewart_SS-52100-001_Horizontal]  241.82 142.51 180 top
US4#12  USB_A  [USB_A_Stewart_SS-52100-001_Horizontal]  241.82 181.49 180 top
US4#13  USB_A  [USB_A_Stewart_SS-52100-001_Horizontal]  116.6 181.49 180 top
US4#14  USB_A  [USB_A_Stewart_SS-52100-001_Horizontal]  53.99 64.53 180 top
US4#15  USB_A  [USB_A_Stewart_SS-52100-001_Horizontal]  179.21 25.54 180 top
US4#16  USB_A  [USB_A_Stewart_SS-52100-001_Horizontal]  53.99 142.51 180 top
US4#17  USB_A  [USB_A_Stewart_SS-52100-001_Horizontal]  241.82 25.54 180 top
US4#18  USB_A  [USB_A_Stewart_SS-52100-001_Horizontal]  116.6 25.54 180 top
US4#19  USB_A  [USB_A_Stewart_SS-52100-001_Horizontal]  179.21 142.51 180 top
US4#20  USB_A  [USB_A_Stewart_SS-52100-001_Horizontal]  179.21 103.52 180 top

## Library data of the parts
D1 D1#2-D1#20 D2 D2#2-D2#20 D4 D4#2-D4#20 D8 D8#2-D8#20 D9 D9#2-D9#20 D11 D11#2-D11#20 = -: Description: Diode
D3 D3#2-D3#20 D10 D10#2-D10#20 = -: Description: Diode; MPN: 1N4148WS
D5 D5#2-D5#20 D12 D12#2-D12#20 = -: Digikey: BZT52C3V6S-TPMSCT-ND; Koncar: FV002; MNF1_URL: www.taiwansemi.com; MPN: BZT52C3V6S; Mouser: 833-BZT52C3V6S-TP; price200_Mouser: 0.096$
D6 D6#2-D6#20 D13 D13#2-D13#20 = -: EMPTY_MPN: RC0805JR-070RL; MFG1: Yageo; MFG2: ST; MNF1_URL: www.yageo.com; MPN2: STPS2L30AF; Note: Leave empty
D7 D7#2-D7#20 D14 D14#2-D14#20 = -: MNF1_URL: www.taiwansemi.com; MPN: BZT52C3V6S; Mouser: 833-BZT52C3V6S-TP
D15 D15#2-D15#20 D16 D16#2-D16#20 D17 D17#2-D17#20 = -: Description: Light emitting diode
J1 J1#2-J1#20 = -: Description: Generic connector, double row, 02x12, odd/even pin numbering scheme (row 1 odd numbers, row 2 even numbers), script generated (kicad-library-utils/schlib/autogen/connector/)
J2 J2#2-J2#20 = -: Description: Generic connector, single row, 01x05, script generated (kicad-library-utils/schlib/autogen/connector/)
Q1 Q1#2-Q1#20 = -: Description: 0.115A Id, 60V Vds, N-Channel MOSFET, SOT-23
R1 R1#2-R1#20 R2 R2#2-R2#20 R3 R3#2-R3#20 R4 R4#2-R4#20 R7 R7#2-R7#20 R8 R8#2-R8#20 R9 R9#2-R9#20 R10 R10#2-R10#20 = -: Description: Resistor
R5 R5#2-R5#20 R6 R6#2-R6#20 R11 R11#2-R11#20 R12 R12#2-R12#20 R13 R13#2-R13#20 = -: Description: Resistor; MNF1_URL: www.yageo.com; MPN: AC0603JR-0727RL
U1 U1#2-U1#20 = -: Description: Photo Modules for PCM Remote Control Systems

## Footprints (pads in the part's own frame, mm; a bottom-side part is the same pattern mirrored in y, then rotated)
D_SMA_Jumper_NC
  rrect 2.5x1.8 smd: 1(-2,0) 2(2,0)
D_SOD-323_HandSoldering
  rect 1x1 smd: 1(-1.25,0) 2(1.25,0)
Fiducial
  round 2 smd: (0,0)
LED_D3.0mm_IRBlack
  rect 1.8x1.8 hole 0.9: 1(0,0)
  round 1.8 hole 0.9: 2(2.54,0)
NPTH
  round 3.2 hole 3.2 unplated: (0,0)
PinHeader_1x05_P2.54mm_Vertical
  rect 1.7x1.7 hole 1: 1(0,0)
  oval 1.7x1.7 hole 1: 2(0,-2.54) 3(0,-5.08) 4(0,-7.62) 5(0,-10.16)
PinHeader_2x12_P2.54mm_Horizontal
  rect 1.7x1.7 hole 1: 1(0,0)
  oval 1.7x1.7 hole 1: 2(2.54,0) 3(0,-2.54) 4(2.54,-2.54) 5(0,-5.08) 6(2.54,-5.08) 7(0,-7.62) 8(2.54,-7.62) 9(0,-10.16) 10(2.54,-10.16) 11(0,-12.7) 12(2.54,-12.7) 13(0,-15.24) 14(2.54,-15.24) 15(0,-17.78) 16(2.54,-17.78) 17(0,-20.32) 18(2.54,-20.32) 19(0,-22.86) 20(2.54,-22.86) 21(0,-25.4) 22(2.54,-25.4) 23(0,-27.94) 24(2.54,-27.94)
R_0603_1608Metric
  rrect 0.875x0.95 smd: 1(-0.787,0) 2(0.787,0)
SOT-23
  rect 0.9x0.8 smd: 1(-1,0.95) 2(-1,-0.95) 3(1,0)
